# KiCad board AtariChocXE.kicad_pcb (continued)
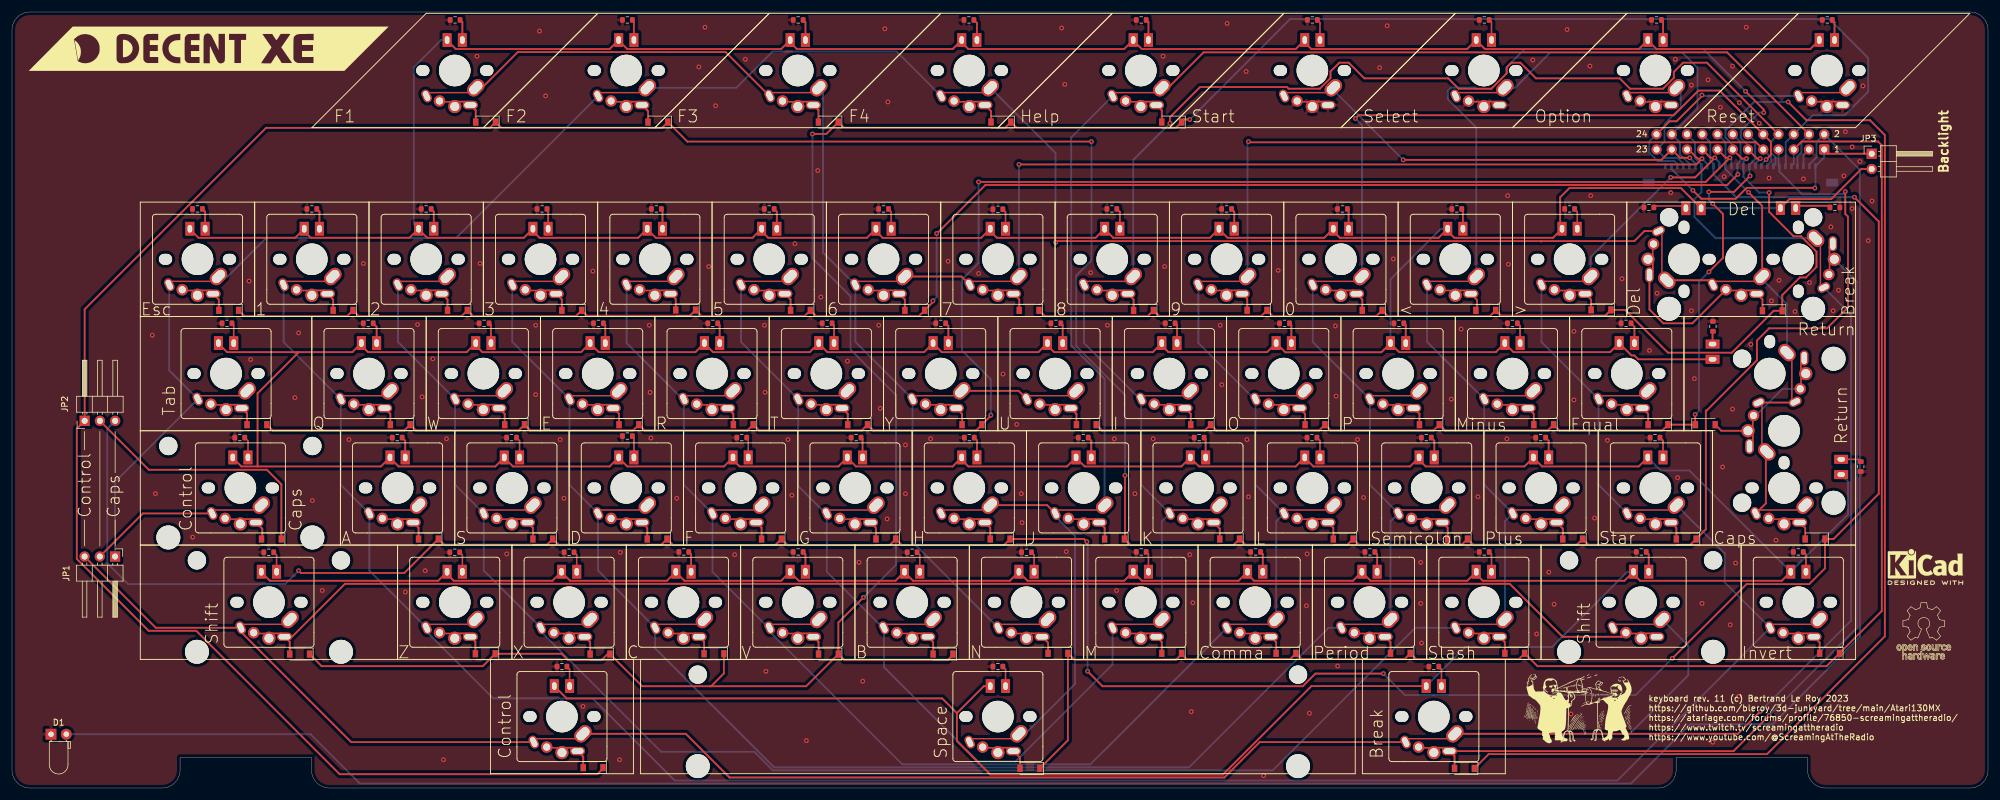
[diagram p0: board, top side]
## Routing (per net, layer and track width the routed paths; a pad name or vN(x,y) marks a point on that pad's centre or on a via; arc(x,y) is an arc through that point) (continued)
Net-(SW6-Pad2): length 3.2
  Top w0.305: D69.2 148.76,81.39 SW6.2
Net-(SW7-Pad2): length 3.2
  Top w0.305: SW7.2 167.81,81.39 D68.2
Net-(SWB1-Pad2): length 3.3
  Top w0.305: D86.2 153.46,24.31 SWB1.2
Net-(SWBrk1-Pad2): length 142.6
  Top w0.305: D126.2 240.32,5.3 SWBrk2.2 286.81,6.15 v1(292.74,12.08)
  Bottom w0.305: SWBrk1.2 307.34,84.36 307.34,26.69 v1(292.74,12.08)
Net-(SWComma1-Pad2): length 3.1
  Top w0.305: SWComma1.2 210.61,24.31 D93.2
Net-(SWCps1-Pad2): length 3.1
  Top w0.305: D124.2 298.74,43.32 SWCps1.2
Net-(SWCtlCaps1-Pad1): length 21.7
  Top w0.305: 14.63,38.57 21.81,45.75 SWCtlCaps1.1
Net-(SWCtlCaps1-Pad2): length 3.3
  Top w0.305: SWCtlCaps1.2 41.7,43.2 41.7,41.36
Net-(SWDash1-Pad2): length 3.2
  Top w0.305: D105.2 253.53,62.34 SWDash1.2
Net-(SWDel1-Pad2): length 25
  Top w0.305: SWDel2.2 279.95,77.43 275.1,77.43 272.8,79.73 SWDel1.2 ; SWDel2.2 291.62,81.4 291.62,79.46
Net-(SWEqual1-Pad2): length 3.2
  Top w0.305: D113.2 272.58,62.34 SWEqual1.2
Net-(SWEsc1-Pad2): length 3.2
  Top w0.305: D120.2 34.46,81.39 SWEsc1.2
Net-(SWF1-Pad2): length 3.1
  Top w0.305: D92.2 124.88,43.36 SWF1.2
Net-(SWFn4-Pad2): length 3.3
  Top w0.305: SWFn4.2 163.11,112.78 D125.2
Net-(SWG1-Pad2): length 3.1
  Top w0.305: D84.2 143.93,43.36 SWG1.2
Net-(SWGT1-Pad2): length 3.1
  Top w0.305: D111.2 263.08,81.37 SWGT1.2
Net-(SWHlp1-Pad2): length 3.2
  Top w0.305: D78.2 191.56,112.91 SWHlp1.2
Net-(SWI1-Pad2): length 3.2
  Top w0.305: SWI1.2 196.38,62.34 D81.2
Net-(SWInv1-Pad2): length 3.2
  Top w0.305: D117.2 301.16,24.24 SWInv1.2
Net-(SWJ1-Pad2): length 3.1
  Top w0.305: SWJ1.2 182.03,43.36 D75.2
Net-(SWK1-Pad2): length 3.2
  Top w0.305: SWK1.2 201.21,43.23 D83.2
Net-(SWL1-Pad2): length 3.1
  Top w0.305: SWL1.2 220.13,43.36 D91.2
Net-(SWLeftSft1-Pad2): length 234.3
  Top w0.305: D128.2 46.27,24.34 SWLeftSft1.2 46.65,25.2 55.47,34.02 249.51,34.02 258.33,25.2 268.2,25.2 SWRightSft1.2
Net-(SWLT1-Pad2): length 3.1
  Top w0.305: SWLT1.2 244.08,81.32 244.08,79.66
Net-(SWN1-Pad2): length 3.2
  Top w0.305: D73.2 172.61,24.2 SWN1.2
Net-(SWO1-Pad2): length 3.2
  Top w0.305: SWO1.2 215.43,62.34 D89.2
Net-(SWQ1-Pad2): length 3.2
  Top w0.305: 62.08,63.3 63.03,62.34 D114.2
Net-(SWR1-Pad2): length 3.2
  Top w0.305: D90.2 120.18,62.34 SWR1.2
Net-(SWRet1-Pad2): length 15.1
  Top w0.305: D121.2 284.77,59.52 SWRet2.2
  Bottom w0.305: SWRet1.2 294.97,66.51 290.52,62.06
Net-(SWS1-Pad2): length 3.1
  Top w0.305: D108.2 86.78,43.36 SWS1.2
Net-(SWSemi1-Pad2): length 3.1
  Top w0.305: D99.2 239.18,43.36 SWSemi1.2
Net-(SWSlash1-Pad2): length 3.1
  Top w0.305: D109.2 248.71,24.31 SWSlash1.2
Net-(SWSpc1-Pad2): length 3.3
  Top w0.305: D77.2 167.93,5.07 SWSpc1.2
Net-(SWStar1-Pad2): length 3.1
  Top w0.305: D115.2 277.28,43.36 SWStar1.2
Net-(SWT1-Pad2): length 3.2
  Top w0.305: D82.2 139.23,62.34 SWT1.2
Net-(SWTab1-Pad2): length 3.1
  Top w0.305: SWTab1.2 39.16,62.41 D122.2
Net-(SWU1-Pad2): length 3.2
  Top w0.305: D70.2 177.33,62.34 176.38,63.3
Net-(SWY1-Pad2): length 3.2
  Top w0.305: SWY1.2 158.28,62.34 D71.2

## Copper pours and planes (outline as drawn; the poured copper is in the pictures)
GND on Top: 329.32,-0.34 -0.88,-0.34 -0.88,130.47 329.32,130.47
GND on Bottom: 329.32,-0.34 -0.88,-0.34 -0.88,130.47 329.32,130.47

## Text on the board
B.Silkscreen: keyboard rev. 11 (c) Bertrand Le Roy 2023 / https://github.com/bleroy/3d-junkyard/tree/main/Atari130MX / https://atariage.com/forums/profile/76850-screamingattheradio/ / https://www.twitch.tv/screamingattheradio / https://www.youtube.com/@ScreamingAtTheRadio | 1
F.Silkscreen: keyboard rev. 11 (c) Bertrand Le Roy 2023 / https://github.com/bleroy/3d-junkyard/tree/main/Atari130MX / https://atariage.com/forums/profile/76850-screamingattheradio/ / https://www.twitch.tv/screamingattheradio / https://www.youtube.com/@ScreamingAtTheRadio | 24 | 23 | 2 | 1 | Backlight | Esc | Q | F1 | A | Z | W | S | 3 | F2 | X | E | D | 4 | C | R | F3 | F | 5 | V | T | G | 6 | F4 | B | Y | H | 7 | N | U | Help | J | 8 | M | I | K | 9 | Start | Comma | O | L | 0 | Period | P | Select | Semicolon | < | Slash | Minus | Plus | > | Option | Equal | Star | Reset | Caps | Del | Invert | Return | Control | Tab | Shift | Space | Break
